# Altium PCB ALCT_MEZ_SPARTAN6T.PcbDoc (part 5 of 12)
Units mil, origin at the board's own origin, x right, y up, seen from the top; angles counter-clockwise.
Board outline 4100 x 5351.19 mil, 12 copper layers (Top Layer, Mid-Layer 1, +3V3, Mid-Layer 2, +1V2, Mid-Layer 4, +1V8, Mid-Layer 5, GND1, Mid-Layer 7, GND2, Bottom Layer), stack 64.7 mil thick; 320 components, 598 nets, 2316 pads, 1572 vias.
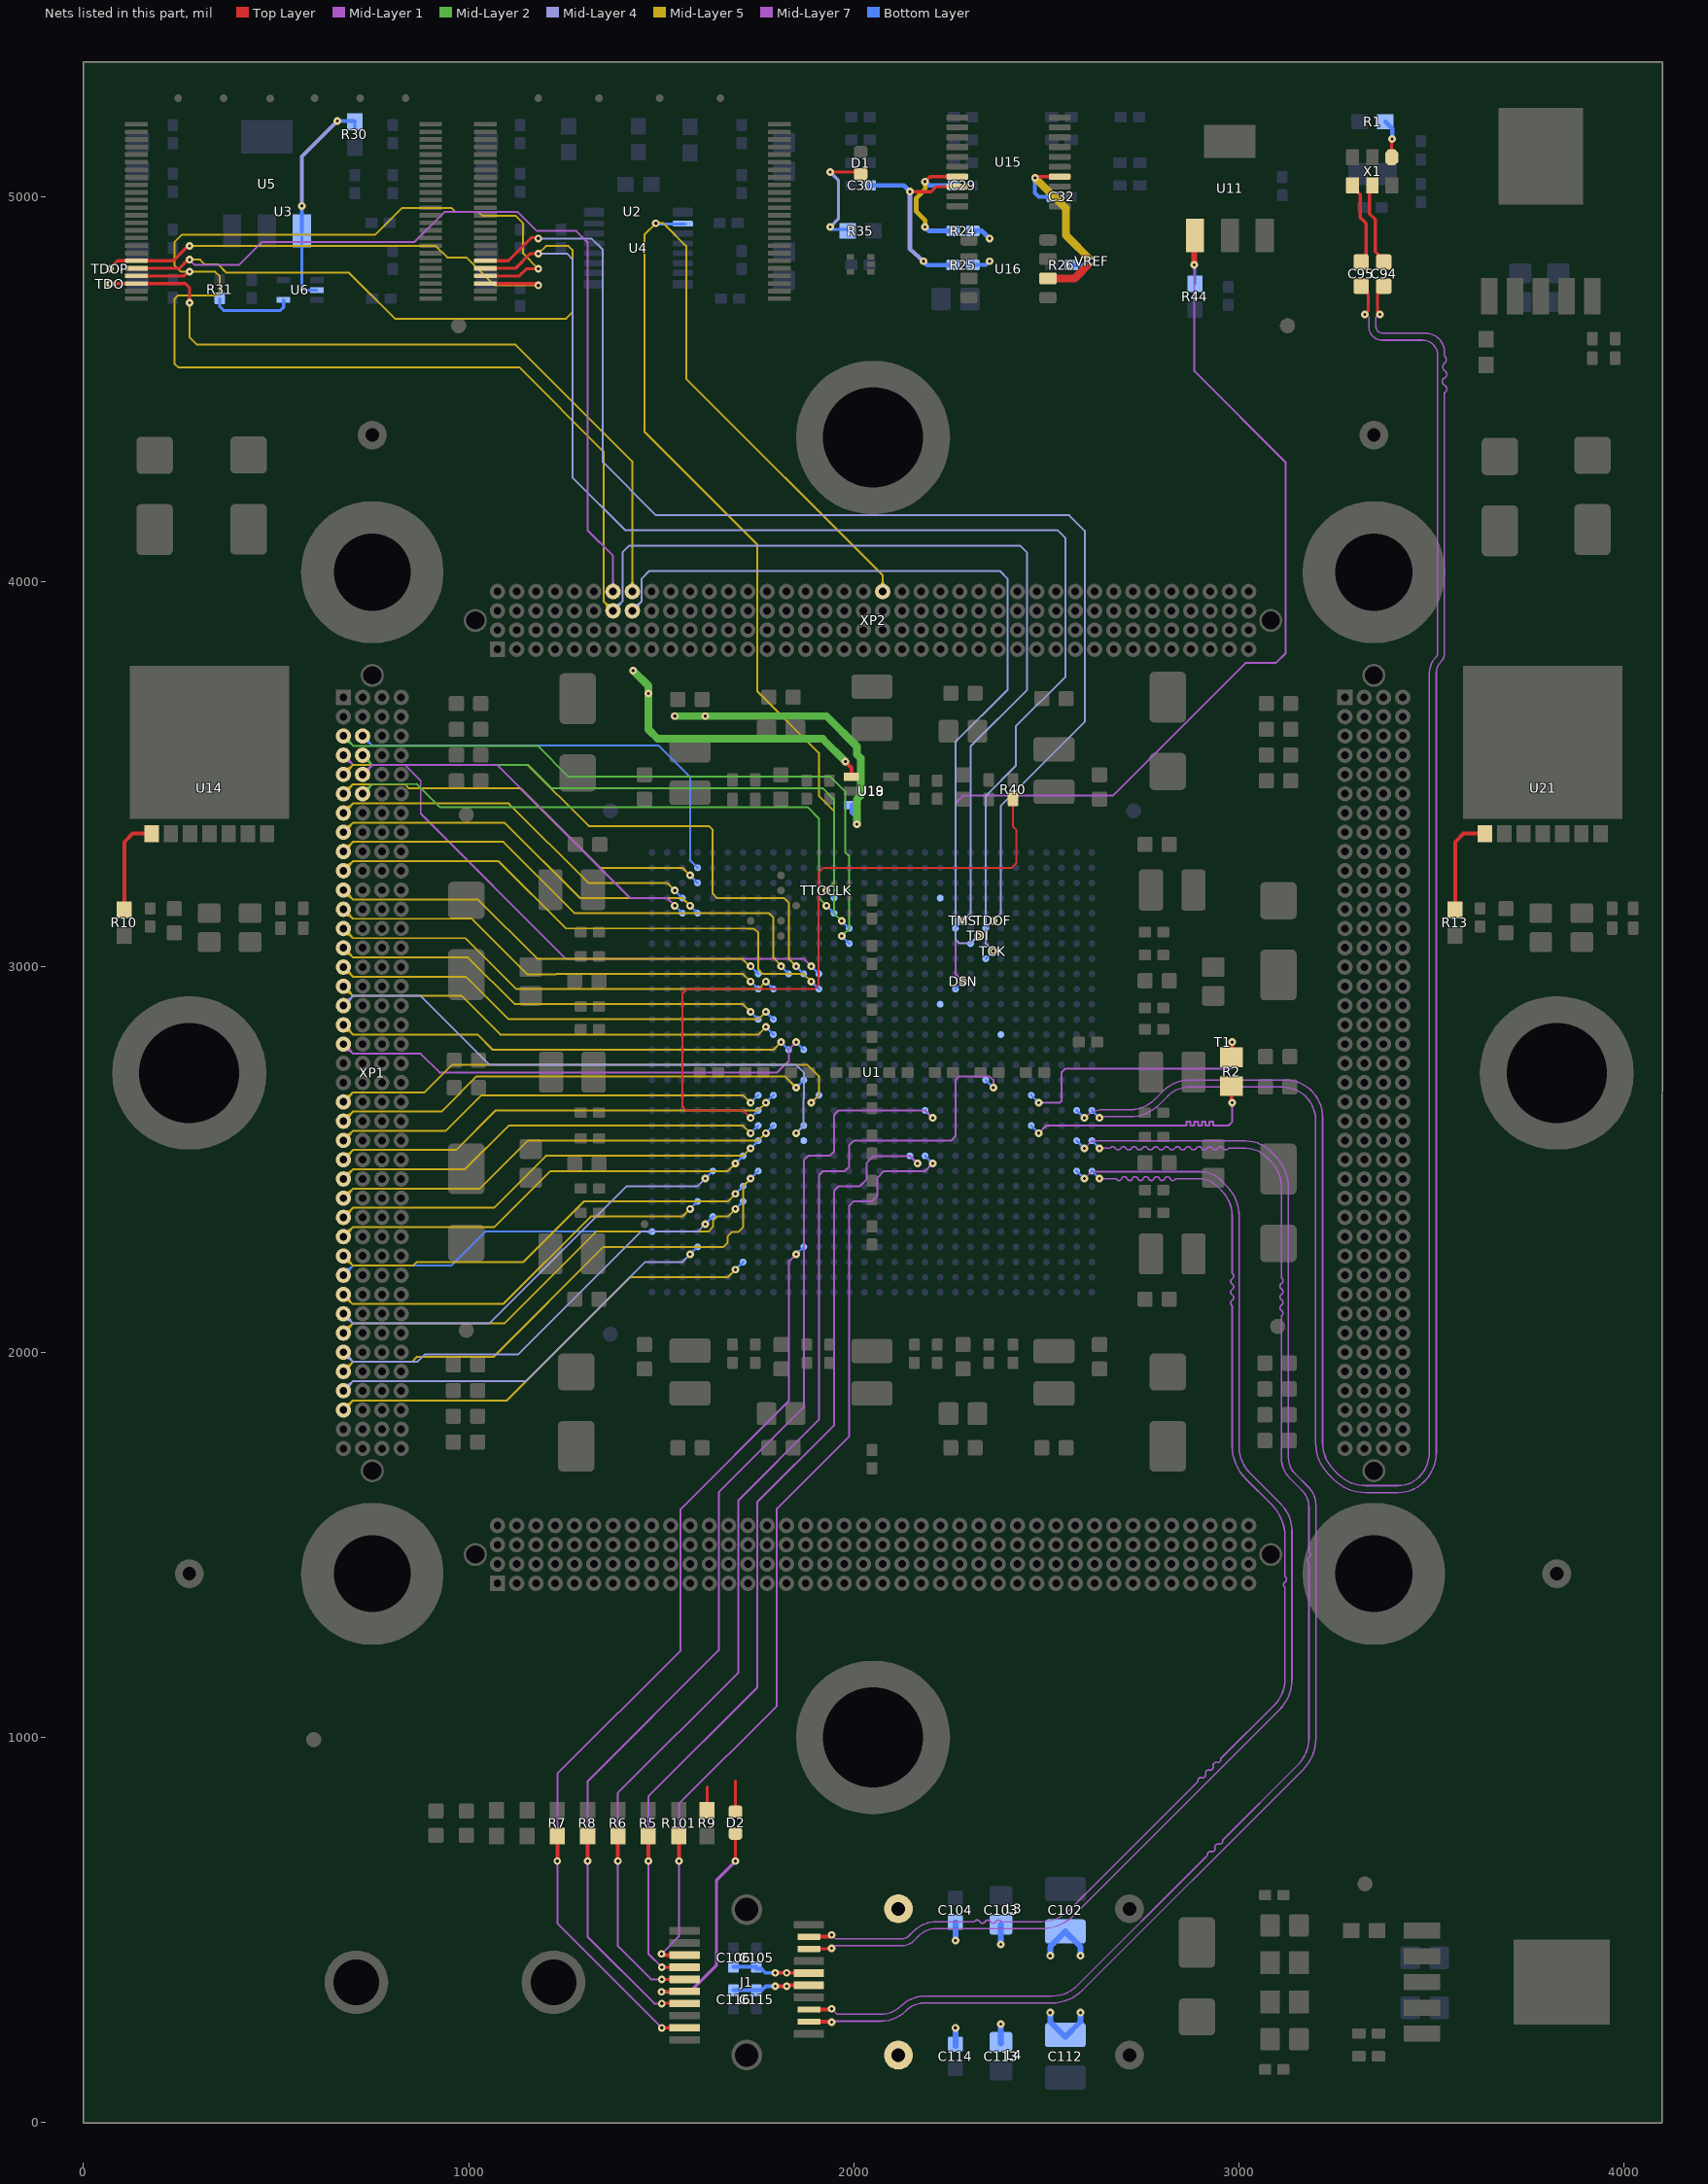
[diagram p15: the nets of this part, all layers, seen from the top]

## Via types
v1: diameter 20, hole 8, Top Layer to Bottom Layer, tented both sides, 1562 vias
v2: diameter 40, hole 20, Top Layer to Bottom Layer, 6 vias
v3: diameter 40, hole 20, Top Layer to Bottom Layer, tented both sides, 4 vias

## Nets (pads, with @x,y where several pads share a name; then routed paths per layer and width w, separated by ;. In a path a pad name is that pad's centre, name@x,y a point inside that pad or via, vN(x,y) a via of type N, cw(c..) or ccw(c..) an arc to the next point about the centre after c; other vN are vias at no path point) (continued)
MC_SN: DSN.1 R44.2 U1.K21 U11.2 | length 2748.2
  Top Layer w8: U11.2@2883.86,4879.92 2885.83,4881.89 U11.2@2885.83,4899.61
  Top Layer w15: v1(2883.86,4822.83) U11.2@2883.86,4879.92
  Mid-Layer 7 w5: v1(2283.48,2962.6) 2263.78,2982.29 2263.78,3425.2 2283.46,3444.88 2672.24,3444.88 3016.73,3789.37 3095.47,3789.37 3121,3814.9 3121,4310.1 2883.86,4547.24 v1(2883.86,4822.83)
  Bottom Layer w5: R44.2@2885.83,4773.62 v1@2885.83,4820.87
  Bottom Layer w6: U1.K21@2263.78,2942.91 v1(2283.48,2962.6)
MEZ_CLOCK: TTCCLK.1 U1.V27 U4.2 XP2.D21 | length 3437.4
  Mid-Layer 5 w5: v1(1929.14,3198.81) 1948.65,3218.32 1948.65,3405.68 1909.45,3444.88 1909.45,3556.12 1749.5,3716.07 1749.5,4096.96 1456.69,4389.76 1456.69,4901.57 v1(1486.22,4931.1) 1505.91,4931.1 1564.96,4872.05 1564.96,4527.56 2075,4017.52 XP2.D21@2075,3975 ; XP2.D21@2065.45,3984.54 ccw(c2042.41,4007.59) 2075,4007.59 ccw(c2107.59,4007.59) XP2.D21@2084.55,3984.54 ; XP2.D21@2065.45,3984.55 ccw(c2042.41,4007.6) 2075,4007.6 ccw(c2107.59,4007.6) XP2.D21@2084.55,3984.55 ; 2075,3995.52 ccw(c2095.52,3995.52) 2081.01,3981.01 cw(c2095.52,3995.52) 2075,3995.52 ; 2075,3995.52 cw(c2054.48,3995.52) 2068.99,3981.01 ccw(c2054.48,3995.52) 2075,3995.52
  Bottom Layer w6: v1(1929.14,3198.81) U1.V27@1948.82,3179.13
  Bottom Layer w8: v1@1488.18,4929.14 U4.2@1562.99,4929.14
MGT_REFCLK_N: C94.2 U1.A13 | length 5151.2
  Top Layer w8: v1(3366.14,4694.88) 3359.11,4701.91 3359.11,4750.85 C94.2@3366.14,4757.87
  Mid-Layer 7 w4: v1(2637.8,2608.27) 2641.17,2611.64 2717.79,2611.64 ccw(c2717.79,2717.74) 2792.81,2642.72 2815.62,2665.53 cw(c2871.56,2609.59) 2871.56,2688.69 3112.7,2688.69 cw(c3112.7,2602.57) 3132.15,2686.47 cw(c3112.7,2602.57) 3198.82,2602.57 3198.82,1765.55 ccw(c3316.82,1765.55) 3233.37,1682.11 3245.39,1670.1 ccw(c3328.82,1753.54) 3328.82,1635.54 3413.56,1635.54 ccw(c3413.56,1729.15) 3479.76,1662.96 ccw(c3401.68,1741.03) 3512.09,1741.03 3512.09,3764 cw(c3551.45,3764) 3523.62,3791.83 ccw(c3499.86,3815.59) 3533.46,3815.59 3533.46,4478.35 3533.46,4491.61 ccw(c3528.94,4501.11) 3533.46,4510.61 cw(c3537.99,4520.11) 3533.46,4529.61 ccw(c3528.94,4539.11) 3533.46,4548.61 cw(c3541.33,4558.11) 3533.46,4567.61 ccw(c3525.6,4577.11) 3533.46,4586.61 3533.46,4596.46 ccw(c3484.25,4596.46) 3484.25,4645.67 3372.68,4645.67 cw(c3372.68,4662.89) 3364.1,4647.96 cw(c3372.68,4662.89) 3355.46,4662.89 3355.46,4684.2 cw(c3366.14,4684.2) v1(3366.14,4694.88)
  Bottom Layer w6: U1.A13@2618.11,2627.95 v1(2637.8,2608.27)
MGT_REFCLK_P: C95.2 U1.B13 | length 5163.1
  Top Layer w5: C95.2@3316.93,4767.72 C95.2@3335.11,4749.53
  Top Layer w8: v1(3326.77,4694.88) 3335.11,4703.22 C95.2@3335.11,4749.53
  Mid-Layer 7 w4: v1(2598.42,2608.27) 2600.11,2609.96 cw(c2647.64,2562.42) 2647.64,2629.64 2717.79,2629.64 ccw(c2717.79,2717.74) 2780.08,2655.44 2802.9,2678.25 ; 2802.92,2678.27 cw(c2871.56,2609.59) 2871.56,2706.69 3120.15,2706.69 cw(c3120.15,2610.03) 3139.29,2704.78 cw(c3120.15,2610.03) 3216.82,2610.03 3216.82,1765.55 ccw(c3316.82,1765.55) 3246.11,1694.84 3258.11,1682.83 ccw(c3328.82,1753.54) 3328.82,1653.54 3413.56,1653.54 ccw(c3413.56,1729.15) 3467.03,1675.69 ccw(c3401.68,1741.03) 3494.09,1741.03 3494.09,3764 cw(c3551.45,3764) 3510.89,3804.56 ccw(c3499.86,3815.59) 3515.46,3815.59 3515.46,4589 ccw(c3476.8,4589) 3476.8,4627.67 3370.99,4627.67 cw(c3370.99,4661.2) 3337.46,4661.2 3337.46,4684.2 ccw(c3326.77,4684.2) v1(3326.77,4694.88)
  Bottom Layer w6: U1.B13@2578.74,2627.95 v1(2598.42,2608.27)
mgtavttrcal: R2.1 T1.1 U1.E14 | length 716
  Top Layer w10: R2.1@2982.28,2767.72 v1(2982.28,2805.12)
  Mid-Layer 7 w5: v1(2480.33,2647.63) 2534.44,2647.63 2539.37,2652.56 2539.37,2726.38 2549.21,2736.22 2982.28,2736.22 v1(2982.28,2805.12)
  Bottom Layer w6: U1.E14@2460.64,2667.31 v1(2480.33,2647.63)
mgtrref: R2.2 U1.E12 | length 714.1
  Top Layer w10: R2.2@2980.32,2690.94 2980.32,2649.61 v1(2982.28,2647.64)
  Mid-Layer 7 w5: v1(2480.33,2568.89) 2500.02,2588.58 2864.17,2588.58 2864.17,2598.43 2874.02,2598.43 2874.02,2588.58 2883.86,2588.58 2883.86,2598.43 2893.7,2598.43 2893.7,2588.58 2903.54,2588.58 2903.54,2598.43 2913.39,2598.43 2913.39,2588.58 2923.23,2588.58 2923.23,2598.43 2933.07,2598.43 2933.07,2588.58 2972.44,2588.58 2982.28,2598.43 v1(2982.28,2647.64)
  Bottom Layer w6: U1.E12@2460.63,2588.58 v1(2480.33,2568.89)
mod_abs: D2.K J1.6 | length 595.1
  Top Layer w8: v1(1500.98,339.57) 1501.97,340.55 J1.6@1559.45,340.55 ; J1.6@1560.63,340.55 J1.6@1559.45,340.55 ; J1.6@1560.63,341.73 J1.6@1559.45,340.55 ; v1(1692.91,678.98) D2.K@1692.91,750
  Mid-Layer 7 w8: v1(1500.98,339.57) 1574.8,339.57 1643.7,408.46 1643.7,629.92 v1@1692.91,679.13
NetD1_A: D1.A R35.2 | length 290.2
  Top Layer w8: v1(1938.98,5063.98) 2008.86,5063.98 2015.75,5057.09 D1.A@2017.72,5059.06
  Mid-Layer 4 w8: v1(1938.98,4921.26) 1959.98,4942.26 1959.98,5042.98 v1(1938.98,5063.98)
  Bottom Layer w8: v1(1938.98,4921.26) 1944.88,4915.35 1947.83,4915.35 R35.2@1984.25,4915.35
NetD2_A: D2.A R9.2 | length 138.8
  Top Layer w8: R9.2@1619.09,811.02 1619.09,871.06 ; D2.A@1692.91,807.09 1692.91,885.83
NetR1_2: R1.2 X1.1 | length 100.3
  Top Layer w8: X1.1@3396.46,5102.36 3396.46,5148.43 v1(3397.64,5149.61)
  Bottom Layer w11.81: R1.2@3379.92,5194.88 3397.64,5177.17 v1(3397.64,5149.61)
NetR10_2: R10.2 U14.1 | length 264.9
  Top Layer w10: R10.2@106.3,3149.61 106.3,3324.8 127.95,3346.46 U14.1@177.17,3346.46 U14.1@177.17,3356.3
NetR13_2: R13.2 U21.1 | length 263.7
  Top Layer w10: R13.2@3561.02,3147.64 R13.2@3561.02,3148.64 3561.02,3324.8 3582.68,3346.46 U21.1@3638.58,3346.46
NetR31_1: R31.1 U6.4 | length 214
  Bottom Layer w8: R31.1@354.33,4736.22 354.33,4714.57 364.17,4704.72 511.81,4704.72 519.69,4712.6 U6.4@519.69,4732.28
osc0_n: C94.1 X1.5 | length 218.3
  Top Layer w4: X1.5@3336.61,5016.84 3336.61,5019.69 X1.5@3346.46,5029.53
  Top Layer w8: X1.5@3338.69,5016.84 3338.69,4955.71 3353.69,4940.7 3353.69,4857.28 3375.98,4834.99 C94.1@3375.98,4830.71
osc0_p: C95.1 X1.4 | length 218.5
  Top Layer w4: C95.1@3316.93,4830.71 C95.1@3326.77,4840.55
  Top Layer w8: X1.4@3294.88,5029.53 3294.88,5025.6 3314.69,5005.8 3314.69,4945.77 3329.69,4930.76 3329.69,4843.47 C95.1@3326.77,4840.55
POR: R30.2 U5.2 U6.2 | length 564.9
  Mid-Layer 4 w10: v1(566.93,4976.38) 566.93,5104.33 v1(659.45,5196.85)
  Bottom Layer w7: U5.2@566.93,4911.42 566.93,4767.72 576.77,4757.87 U6.2@606.3,4757.87
  Bottom Layer w8: R30.2@704.72,5179.13 R30.2@704.72,5186.99
  Bottom Layer w10: U5.2@566.93,4911.42 v1(566.93,4976.38) ; v1(659.45,5196.85) 702.76,5196.85 R30.2@704.72,5194.88
RDWR_B: R40.1 U1.AC13 | length 1856.4
  Top Layer w5: v1(1732.29,2608.26) 1712.6,2627.95 1564.96,2627.95 1555.12,2637.8 1555.12,2931.12 1566.91,2942.91 1897.67,2942.91 1908.64,2953.88 1908.64,3245.26 1921.26,3257.87 2409.47,3257.87 2421.44,3269.84 2421.44,3356.48 2413.39,3364.53 R40.1@2413.39,3435.04
  Bottom Layer w6: v1(1732.29,2608.26) U1.AC13@1751.98,2627.94
sfp_disable: J1.3 R101.2 U1.M10 | length 2581.9
  Top Layer w10: v1(1500.98,437.99) 1500.98,433.07 1502.95,435.04 J1.3@1560.63,435.04 ; v1(1546.06,678.98) R101.2@1546.06,734.09
  Mid-Layer 7 w5: v1(1500.98,437.99) 1546.06,483.07 v1(1546.06,678.98) 1546.06,827.56 1800.5,1082 1800.5,1593.81 1988.19,1781.5 1988.19,2379.93 2000.17,2391.91 2047.42,2391.91 2061.23,2405.72 2061.23,2452.96 2078.56,2470.29 2184.87,2470.29 v1(2204.73,2490.14)
  Bottom Layer w6: U1.M10@2185.04,2509.84 v1(2204.73,2490.14)
sfp_i2c_scl: J1.5 R6.2 U1.H15 | length 3209.8
  Top Layer w8: v1(1501.57,372.05) 1559.45,372.05 J1.5@1560.63,373.23
  Top Layer w10: v1(1387.8,678.98) R6.2@1387.8,734.09
  Mid-Layer 7 w5: v1(1501.57,372.05) 1473.43,372.05 1387.8,457.68 v1(1387.8,678.98) 1387.8,856.3 1700.5,1169 1700.5,1615.84 1909.45,1824.79 1909.45,2458.66 1921.07,2470.28 1976.22,2470.28 1988.38,2482.43 1988.38,2537.6 2000.17,2549.39 2252.17,2549.39 2263.98,2561.2 2263.98,2706.89 2273.62,2716.54 2352.36,2716.54 2362.21,2706.69 v1(2362.21,2686.99)
  Bottom Layer w6: U1.H15@2342.52,2706.69 v1(2362.21,2686.99)
sfp_i2c_scl2: J1.7 R8.2 U1.M13 | length 3108.4
  Top Layer w8: v1(1501.57,309.06) 1502.76,310.24 1560.63,310.24 J1.7@1559.45,309.06
  Top Layer w10: v1(1309.06,678.98) R8.2@1309.06,734.09
  Mid-Layer 7 w5: v1(1501.57,309.06) 1482.28,309.06 1309.06,482.28 v1(1309.06,678.98) 1309.06,885.83 1649.5,1226.27 1649.5,1636.69 1870.08,1857.27 1870.08,2498.02 1881.9,2509.84 1937.04,2509.84 1948.82,2521.63 1948.82,2616.15 1960.43,2627.76 2185.23,2627.76 v1(2204.73,2608.26)
  Bottom Layer w6: U1.M13@2185.04,2627.95 v1(2204.73,2608.26)
sfp_i2c_sda: J1.4 R5.2 U1.N10 | length 2658.8
  Top Layer w8: v1(1501.57,403.54) J1.4@1560.63,403.54
  Top Layer w10: v1(1466.54,678.98) R5.2@1466.54,734.09
  Mid-Layer 7 w5: v1(1501.57,403.54) 1466.54,438.58 v1(1466.54,678.98) 1466.54,846.46 1749.5,1129.42 1749.5,1611.7 1949,1811.21 1949,2419.49 1960.43,2430.92 2015.59,2430.92 2033.17,2448.49 2033.17,2490.64 2052.17,2509.64 2145.86,2509.64 v1(2165.36,2490.14)
  Bottom Layer w6: U1.N10@2145.68,2509.83 v1(2165.36,2490.14)
sfp_i2c_sda2: J1.9 R7.2 U1.Y4 | length 2520.8
  Top Layer w8: v1(1501.57,246.06) J1.9@1560.63,246.06
  Top Layer w10: v1(1230.32,678.98) R7.2@1230.32,734.09
  Mid-Layer 1 w15: v1@1499.84,246.06 v1(1501.57,246.06)
  Mid-Layer 7 w5: v1(1501.57,246.06) 1230.32,517.32 v1(1230.32,678.98) 1230.32,905.51 1550.5,1225.7 1550.5,1592.84 1830.89,1873.23 1830.89,2234.43 v1(1850.39,2253.93)
  Bottom Layer w6: v1(1850.39,2253.93) U1.Y4@1870.08,2273.61
sfp_tx2_n: J1.13 U1.A11 | length 3714.5
  Top Layer w10: J1.13@1883.46,293.31 v1@1935.33,293.31
  Mid-Layer 7 w4: v1(1942.52,295.28) 1956.51,281.29 2070.48,281.29 ccw(c2070.48,355.7) 2123.1,303.08 cw(c2184.45,241.73) 2184.45,328.49 2514.76,328.49 ccw(c2514.76,420.57) 2579.87,355.46 2913.39,688.98 2918.08,693.67 cw(c2925.95,695.7) 2927.98,703.57 ccw(c2930.01,711.44) 2937.88,713.47 cw(c2945.74,715.5) 2947.78,723.37 ccw(c2949.81,731.23) 2957.68,733.27 3152.31,927.9 ccw(c3081.59,998.61) 3181.59,998.61 3181.59,1446.85 3181.59,1453.3 cw(c3185.72,1460.3) 3181.59,1467.3 ccw(c3177.47,1474.3) 3181.59,1481.3 3181.59,1596.47 ccw(c3117.14,1596.47) 3162.71,1642.05 3132.38,1672.38 cw(c3185.85,1725.84) 3132.34,1672.42 cw(c3185.85,1725.84) 3110.24,1725.84 3110.24,2084.15 3110.24,2094.42 ccw(c3106.11,2101.42) 3110.24,2108.42 cw(c3114.36,2115.42) 3110.24,2122.42 ccw(c3106.11,2129.42) 3110.24,2136.42 cw(c3114.36,2143.42) 3110.24,2150.42 ccw(c3106.11,2157.42) 3110.24,2164.42 cw(c3114.36,2171.42) 3110.24,2178.42 ccw(c3106.11,2185.42) 3110.24,2192.42 3110.24,2426.59 ccw(c3010.24,2426.59) 3080.95,2497.3 3071.34,2506.91 ccw(c3016.73,2452.3) 3016.73,2529.53 2984.74,2529.53 2972.86,2529.53 cw(c2965.86,2533.65) 2958.86,2529.53 ccw(c2951.86,2525.4) 2944.86,2529.53 cw(c2937.86,2533.65) 2930.86,2529.53 ccw(c2923.86,2525.4) 2916.86,2529.53 cw(c2909.86,2533.65) 2902.86,2529.53 ccw(c2895.86,2525.4) 2888.86,2529.53 cw(c2881.86,2533.65) 2874.86,2529.53 ccw(c2867.86,2525.4) 2860.86,2529.53 cw(c2853.86,2533.65) 2846.86,2529.53 ccw(c2839.86,2525.4) 2832.86,2529.53 cw(c2825.86,2533.65) 2818.86,2529.53 ccw(c2811.86,2525.4) 2804.86,2529.53 cw(c2797.86,2533.65) 2790.86,2529.53 ccw(c2783.86,2525.4) 2776.86,2529.53 cw(c2769.86,2533.65) 2762.86,2529.53 ccw(c2755.86,2525.4) 2748.86,2529.53 cw(c2741.86,2533.65) 2734.86,2529.53 ccw(c2727.86,2525.4) 2720.86,2529.53 cw(c2713.86,2533.65) 2706.86,2529.53 ccw(c2699.86,2525.4) 2692.86,2529.53 cw(c2685.86,2533.65) 2678.86,2529.53 ccw(c2671.86,2525.4) 2664.86,2529.53 v1(2637.8,2529.53)
  Bottom Layer w6: U1.A11@2618.11,2549.21 v1(2637.8,2529.53)
sfp_tx2_p: J1.12 U1.B11 | length 3731.5
  Top Layer w10: J1.12@1883.46,261.81 1941.53,261.81 v1(1942.52,260.83)
  Mid-Layer 7 w4: v1(1942.52,260.83) 1944.98,263.29 v1@1949.05,263.29 ; 1958.66,263.29 v1@1949.05,263.29 ; v1(2598.43,2529.53) 2617.43,2548.53 3016.73,2548.53 cw(c3016.73,2455.72) 3082.34,2521.36 ; 3082.36,2521.34 3093.68,2510.02 cw(c3010.24,2426.59) 3128.24,2426.59 3128.24,1725.84 ccw(c3185.85,1725.84) 3145.11,1685.11 3180.72,1649.5 cw(c3135.14,1603.92) 3199.59,1603.92 3199.59,998.61 cw(c3081.59,998.61) 3165.04,915.17 2592.6,342.74 cw(c2514.76,420.57) 2514.76,310.49 2184.45,310.49 ccw(c2184.45,241.73) 2135.83,290.35 cw(c2070.48,355.7) 2070.48,263.29 v1@1949.05,263.29
  Bottom Layer w6: U1.B11@2578.74,2549.21 v1(2598.43,2529.53)
SFP_TX_N: J1.19 U1.A9 | length 3303.9
  Top Layer w10: J1.19@1883.46,482.28 v1@1937.6,482.28
  Mid-Layer 7 w4: v1(1942.52,487.2) 1944.76,484.97 1952.36,477.36 2125.98,477.36 ccw(c2125.98,501.12) 2142.79,484.32 2155.51,497.05 cw(c2214.92,437.64) 2182.68,515.22 cw(c2214.92,437.64) 2214.92,521.65 2312.99,521.65 cw(c2319.99,517.53) 2326.99,521.65 ccw(c2333.99,525.78) 2340.99,521.65 cw(c2347.99,517.53) 2354.99,521.65 ccw(c2361.99,525.78) 2368.99,521.65 cw(c2375.99,517.53) 2382.99,521.65 2391.73,521.65 2488.11,521.65 ccw(c2488.11,621.65) 2558.82,550.94 2883.86,875.98 2893.36,885.48 cw(c2901.23,887.52) 2903.26,895.38 ccw(c2905.29,903.25) 2913.16,905.28 cw(c2921.02,907.32) 2923.06,915.18 ccw(c2925.09,923.05) 2932.96,925.08 cw(c2940.82,927.12) 2942.86,934.98 ccw(c2944.89,942.85) 2952.76,944.88 3091.25,1083.38 ccw(c3023.05,1151.57) 3119.5,1151.57 3119.5,1377.95 3119.5,1389.32 cw(c3123.62,1396.32) 3119.5,1403.32 ccw(c3115.38,1410.32) 3119.5,1417.32 3119.5,1520.73 ccw(c3001.5,1520.73) 3084.94,1604.17 3016.84,1672.27 cw(c3100.28,1755.7) 2982.28,1755.7 2982.28,2116.14 2982.28,2120.72 cw(c2986.41,2127.72) 2982.28,2134.72 ccw(c2978.16,2141.72) 2982.28,2148.72 cw(c2986.41,2155.72) 2982.28,2162.72 ccw(c2978.16,2169.72) 2982.28,2176.72 cw(c2986.41,2183.72) 2982.28,2190.72 ccw(c2978.16,2197.72) 2982.28,2204.72 2982.28,2354.05 ccw(c2891.32,2354.05) 2955.68,2418.33 ccw(c2891.32,2354.05) 2955.64,2418.37 2944.14,2429.88 ccw(c2893.65,2379.38) 2893.65,2450.79 2874.02,2450.79 2835.32,2450.79 cw(c2828.32,2453.19) 2821.32,2450.79 ccw(c2814.32,2448.39) 2807.32,2450.79 cw(c2800.32,2453.19) 2793.32,2450.79 ccw(c2786.32,2448.39) 2779.32,2450.79 cw(c2772.32,2453.19) 2765.32,2450.79 ccw(c2758.32,2448.39) 2751.32,2450.79 cw(c2744.32,2453.19) 2737.32,2450.79 ccw(c2730.32,2448.39) 2723.32,2450.79 cw(c2716.32,2453.19) 2709.32,2450.79 ccw(c2702.32,2448.39) 2695.32,2450.79 cw(c2688.32,2453.19) 2681.32,2450.79 2667.32,2450.79 v1(2637.8,2450.79)
  Bottom Layer w6: U1.A9@2618.11,2470.47 v1(2637.8,2450.79)
SFP_TX_P: J1.18 U1.B9 | length 3311.5
  Top Layer w8: J1.18@1883.46,450.79 1937.2,450.79 v1@1938.39,451.97
  Top Layer w14: v1@1938.39,451.97 1939.17,452.76 v1(1942.52,452.76)
  Mid-Layer 7 w4: v1(1942.52,452.76) 1949.13,459.36 2125.98,459.36 ccw(c2125.98,501.12) 2155.51,471.59 2168.24,484.32 cw(c2214.92,437.64) 2192.73,499.81 cw(c2214.92,437.64) 2214.92,503.65 2488.11,503.65 ccw(c2488.11,621.65) 2571.54,538.21 3103.98,1070.65 ccw(c3023.05,1151.57) 3137.5,1151.57 3137.5,1535.65 ccw(c3037.5,1535.65) 3108.21,1606.36 3029.57,1684.99 cw(c3100.28,1755.7) 3000.28,1755.7 3000.28,2354.05 ccw(c2891.32,2354.05) 2968.4,2431.07 ; v1(2598.43,2450.79) 2616.43,2468.79 2901.11,2468.79 cw(c2901.11,2397.38) 2951.59,2447.88 2968.37,2431.1
  Bottom Layer w6: U1.B9@2578.74,2470.47 v1(2598.43,2450.79)
sfp_vcct: C102.1 C103.1 C104.1 C105.1 C106.1 J1.16 L3.1 | length 457.4
  Top Layer w10: v1(1796.26,388.78) v1(1825.79,388.78) 1882.48,388.78 J1.16@1883.46,387.8
  Bottom Layer w10: C106.1@1687.99,404.53 C105.1@1747.05,404.53 ; C105.1@1747.05,399.61 1759.45,399.61 1770.28,388.78 v1(1796.26,388.78)
  Bottom Layer w15: v1(2263.78,472.44) C104.1@2263.78,519.68 ; v1(2381.89,462.6) C103.1@2381.89,513.78 ; v1(2509.84,433.07) 2509.84,456.69 C102.1@2549.21,496.06 2588.58,456.69 v1(2588.58,433.07)
sfp_vcct2: C112.1 C113.1 C114.1 C115.1 C116.1 J1.15 L4.1 | length 457.8
  Top Layer w10: v1(1796.26,354.33) v1(1825.79,354.33) 1827.76,356.3 J1.15@1883.46,356.3
  Bottom Layer w10: C116.1@1687.99,343.5 C115.1@1747.05,343.5 1760.83,343.5 1771.65,354.33 v1(1796.26,354.33)
  Bottom Layer w15: C114.1@2263.78,198.82 C114.1@2263.78,203.74 v1(2263.78,246.06) ; C113.1@2381.89,204.72 C113.1@2381.89,209.65 v1(2381.89,255.91) ; v1(2509.84,285.43) 2509.84,261.81 2549.21,222.44 2588.58,261.81 v1(2588.58,285.43)
TCK_Pr: TCK.1 U1.H23 U2.20 U3.20 XP2.D7 | length 7054.3
  Top Layer w8: U3.20@137.8,4814.17 249.21,4814.17 v1@271.65,4836.61 ; U2.20@1043.31,4814.17 1122.05,4814.17 1160.24,4852.36 v1(1181.1,4852.36)
  Mid-Layer 1 w5: v1(275.59,4836.61) 289.37,4822.83 403.54,4822.83 462.6,4881.89 858.66,4881.89 937.4,4960.63 1127.93,4960.63 1177.33,4911.23 1279.71,4911.23 1309.06,4881.89 1309.06,4133.86 1375,4067.91 XP2.D7@1375,3975 ; XP2.D7@1365.45,3984.54 ccw(c1342.41,4007.59) 1375,4007.59 ccw(c1407.59,4007.59) XP2.D7@1384.55,3984.54 ; XP2.D7@1365.45,3984.55 ccw(c1342.41,4007.6) 1375,4007.6 ccw(c1407.59,4007.6) XP2.D7@1384.55,3984.55 ; 1375,3995.52 ccw(c1395.52,3995.52) 1381.01,3981.01 cw(c1395.52,3995.52) 1375,3995.52 ; 1375,3995.52 cw(c1354.48,3995.52) 1368.99,3981.01 ccw(c1354.48,3995.52) 1375,3995.52
  Mid-Layer 4 w5: v1(1181.1,4852.36) 1254.92,4852.36 1269.68,4837.6 1269.68,4271.65 1407.48,4133.86 2529.53,4133.86 2549.5,4113.89 2549.5,3754.24 2421.26,3626 2421.26,3523.62 2342.7,3445.07 2342.7,3230.11 2342.7,3060.84 v1(2362.21,3041.33)
  Mid-Layer 5 w5: v1(275.59,4836.61) 303.13,4836.61 315.63,4824.12 350.39,4824.12 371.54,4802.96 689.16,4802.96 808.87,4683.26 1253.14,4683.26 1269.68,4699.8 1269.68,4862.2 1259.84,4872.05 1200.79,4872.05 v1(1181.1,4852.36)
  Bottom Layer w6: U1.H23@2342.52,3021.65 v1(2362.21,3041.33)
TDI_PR: TDI.1 U1.J24 XP2.C8 | length 2318.3
  Mid-Layer 4 w5: XP2.C8@1425,3925 1449.5,3949.5 1449.5,4008.55 1469.18,4028.24 2379.24,4028.24 2399.5,4007.98 2399.5,3720.35 2263.78,3584.63 2263.78,3533.46 ; 2263.78,3129.92 2263.78,3072.82 2275.39,3061.21 2303.36,3061.21 v1(2322.84,3080.7) ; 1439.51,3939.51 ccw(c1454.02,3925) 1433.5,3925 cw(c1454.02,3925) 1439.51,3939.51 ; 1439.51,3939.51 cw(c1425,3954.02) 1425,3933.5 ccw(c1425,3954.02) 1439.51,3939.51 ; XP2.C8@1425,3938.5 ccw(c1425,3971.09) 1448.04,3948.04 ccw(c1471.09,3925) 1438.5,3925 cw(c1471.09,3925) 1448.05,3948.05 cw(c1425,3971.09) XP2.C8@1425,3938.5
  Mid-Layer 4 w5.12: 2263.78,3129.92 2263.78,3533.46
  Bottom Layer w6: U1.J24@2303.16,3061.01 v1(2322.84,3080.7)
TDO_FPGA: TDOF.1 U1.H25 U2.19 | length 3357.1
  Top Layer w8: U2.19@1043.31,4833.86 1103.54,4833.86 1163.39,4893.7 v1@1181.1,4893.7
  Mid-Layer 4 w5: 1348.43,4311.02 1486.22,4173.23 2559.06,4173.23 2599.5,4132.78 2599.5,3636.88 2381.89,3419.27 2381.89,3139.74 v1(2362.21,3120.06)
  Mid-Layer 4 w5.12: v1(1181.1,4891.73) 1318.9,4891.73 1348.43,4862.2 1348.43,4311.02
  Bottom Layer w6: U1.H25@2342.52,3100.39 v1(2362.21,3120.06)
TDO_PR: TDO.1 U3.22 XP2.D8 | length 2127.8
  Top Layer w8: v1(68.9,4773.62) 68.9,4774.02 68.11,4774.8 U3.22@137.8,4774.8 264.57,4774.8 275.59,4763.78 v1(275.59,4724.41)
  Mid-Layer 5 w5.12: v1(275.59,4724.41) 275.59,4635.83 295.28,4616.14 1122.05,4616.14 1425,4313.19 XP2.D8@1425,3975 ; XP2.D8@1415.5,3984.5 ccw(c1392.55,4007.44) 1425,4007.44 ccw(c1457.45,4007.44) 1434.5,3984.5 cw(c1457.45,4007.45) 1425,4007.45 cw(c1392.55,4007.45) XP2.D8@1415.5,3984.51 ; XP2.D8@1419.12,3980.88 ccw(c1404.91,3995.09) 1425,3995.09 ccw(c1445.09,3995.09) 1430.88,3980.88 cw(c1445.09,3995.1) 1425,3995.1 cw(c1404.91,3995.1) XP2.D8@1419.12,3980.89
TDO_PROM0: TDOP.1 U2.22 U3.19 | length 1315
  Top Layer w8: v1(68.9,4812.99) 89.76,4833.86 U3.19@137.8,4833.86 233.46,4833.86 v1@271.65,4872.05 ; U2.22@1043.31,4774.8 1175.98,4774.8 v1(1181.1,4769.69)
  Mid-Layer 5 w5: v1(275.59,4872.05) 915.35,4872.05 944.88,4842.52 994.09,4842.52 1066.93,4769.69 v1(1181.1,4769.69)
TMS_Pr: TMS.1 U1.K25 U2.21 U3.21 XP2.C7 | length 6145
  Top Layer w8: U3.21@137.8,4794.49 261.02,4794.49 v1@271.65,4805.12 ; U2.21@1043.31,4794.49 1131.89,4794.49 1150.39,4812.99 v1(1181.1,4812.99)
  Mid-Layer 4 w5: XP2.C7@1375,3925 1400.5,3950.5 1400.5,4077.67 1417.32,4094.49 2431.1,4094.49 2450,4075.59 2450,3719.68 2303.15,3572.83 2303.15,3139.73 v1(2283.48,3120.06) ; 1389.51,3939.51 ccw(c1404.02,3925) 1383.5,3925 cw(c1404.02,3925) 1389.51,3939.51 ; 1389.51,3939.51 cw(c1375,3954.02) 1375,3933.5 ccw(c1375,3954.02) 1389.51,3939.51 ; XP2.C7@1375,3938.5 ccw(c1375,3971.09) 1398.04,3948.04 ccw(c1421.09,3925) 1388.5,3925 cw(c1421.09,3925) 1398.05,3948.05 cw(c1375,3971.09) XP2.C7@1375,3938.5